# Allegro board LAY-27392_C.brd (continued)
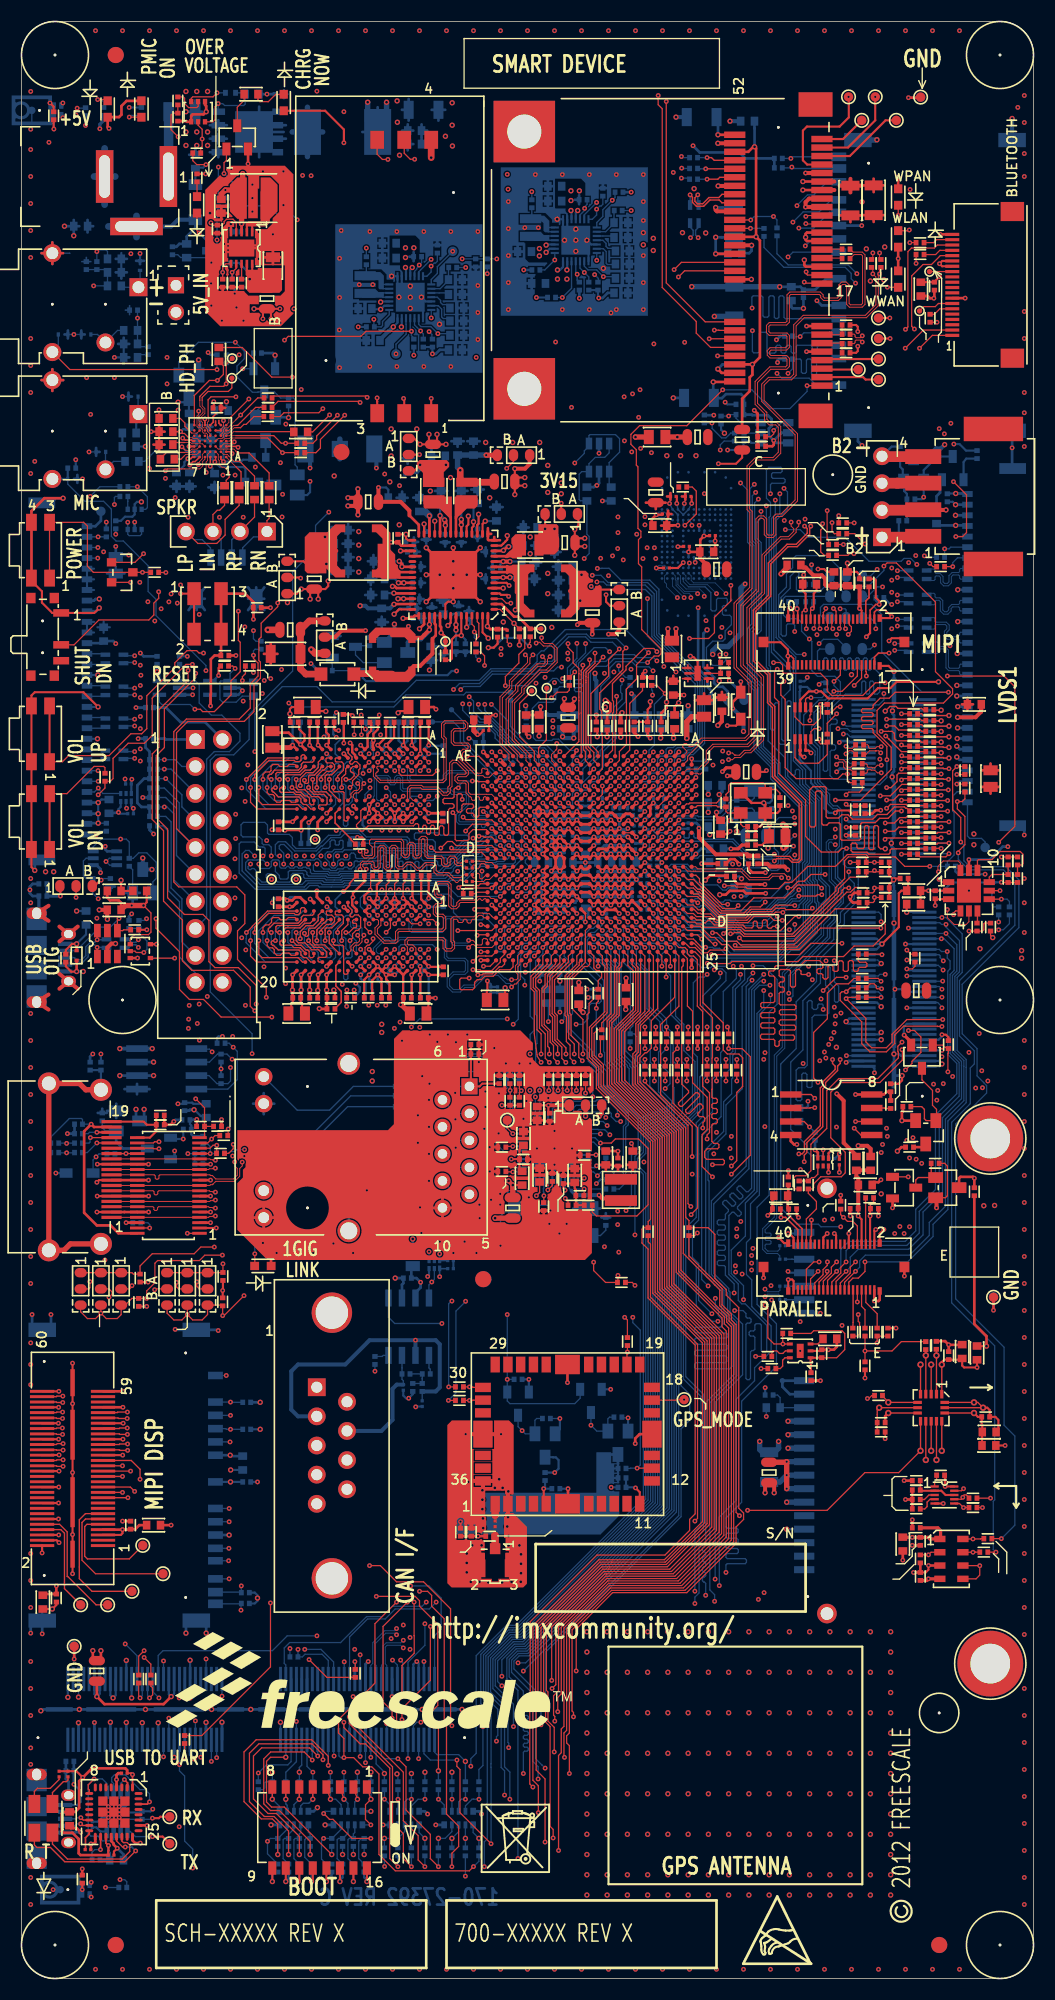
[diagram p0: board, top side]
## Footprints (pads in the part's own frame, mm; a bottom-side part is the same pattern mirrored in y, then rotated) (continued)
DFN_6_0P65_2P1X2
  rect 0.559x0.305 smd: 1(-0.975,0.65) 2(-0.975,0) 3(-0.975,-0.65) 4(0.975,-0.65) 5(0.975,0) 6(0.975,0.65)
  rect 0.66x1.346 smd: 7(0,0)
DFN_10_0P4_2X2
  rect 0.787x0.229 smd: 1(-0.925,0.8) 2(-0.925,0.4) 3(-0.925,0) 4(-0.925,-0.4) 5(-0.925,-0.8) 6(0.925,-0.8) 7(0.925,-0.4) 8(0.925,0) 9(0.925,0.4) 10(0.925,0.8)
DO214AB_SM
  rect 4.318x2.54 smd: A(0,3.302) C(0,-3.302)
DO_VMN2
  rect 0.457x0.559 smd: A(0.475,0) C(-0.475,0)
FUSE_3P4X1P8
  rect 1x1.8 smd: 1(-1.25,0) 2(1.25,0)
HDR102
  rect 1.524x1.524 hole 1.016: 1(0,0)
  round 1.524 hole 1.016: 2(0,-2.54)
HDR104
  rect 1.676x1.676 hole 1.041: 1(0,0)
  round 1.676 hole 1.041: 2(0,-2.54) 3(0,-5.08) 4(0,-7.62)
HDR_20M_100_TH
  rect 1.778x1.778 hole 1.143: 1(0,0)
  round 1.778 hole 1.143: 2(2.54,0) 3(0,-2.54) 4(2.54,-2.54) 5(0,-5.08) 6(2.54,-5.08) 7(0,-7.62) 8(2.54,-7.62) 9(0,-10.16) 10(2.54,-10.16) 11(0,-12.7) 12(2.54,-12.7) 13(0,-15.24) 14(2.54,-15.24) 15(0,-17.78) 16(2.54,-17.78) 17(0,-20.32) 18(2.54,-20.32) 19(0,-22.86) 20(2.54,-22.86)
IND4_CHOKE_0805
  rect 0.914x0.406 smd: 1(-0.85,-0.4) 2(0.85,-0.4) 3(0.85,0.4) 4(-0.85,0.4)
IND_5015
  custom 1.75x5 smd: 1(-2.125,0) 2(2.125,0)
IND_LPS4018
  custom 1.45x4.4 smd: 1(-1.831,0) 2(1.831,0)
IND_VLCF4018
  custom 1.6x3.9 smd: 1(-1.448,0) 2(1.448,0)
IND_VLS3012_SM
  rect 1.016x3.023 smd: 1(-1,0) 2(1,0)
IND_VLS252010
  rect 0.864x2.007 smd: 1(-0.825,0) 2(0.825,0)
LED_0603
  rect 0.838x0.787 smd: A(-0.775,0) C(0.775,0)
LED_DUAL_3025MM_SM
  rect 1.702x1.118 smd: 1(-1.35,-0.85) 2(1.35,-0.85) 3(-1.35,0.85) 4(1.35,0.85)
LGA5_CAV_4P1X3P1MM
  round 0.254 hole 0.559 unplated: (1,0)
  rect 0.406x0.61 smd: 1(-1.05,-0.45) 2(-0.35,-0.45) 4(-0.35,0.45) 5(-1.05,0.45)
  custom 3.8x2.8 smd: 3(1.725,0)
LGA8_1P25_3X5_0P5
  rect 1.067x0.61 smd: 1(-1.083,1.875) 2(-1.083,0.625) 3(-1.083,-0.625) 4(-1.083,-1.875) 5(1.083,-1.875) 6(1.083,-0.625) 7(1.083,0.625) 8(1.083,1.875)
MH244-147T
  round 6.198 hole 3.734: 1(0,0)
MODULE_AH-1613
  rect 0.889x1.499 smd: 1(-6.8,-6.55) 2(-5.6,-6.55) 3(-4.4,-6.55) 4(-3.2,-6.55) 5(-2,-6.55) 7(2,-6.55) 8(3.2,-6.55) 9(4.4,-6.55) 10(5.6,-6.55) 11(6.8,-6.55) 19(6.8,6.55) 20(5.6,6.55) 21(4.4,6.55) 22(3.2,6.55) 23(2,6.55) 25(-2,6.55) 26(-3.2,6.55) 27(-4.4,6.55) 28(-5.6,6.55) 29(-6.8,6.55)
  rect 2.337x1.829 smd: 6(0,-6.55) 24(0,6.55)
  rect 1.499x0.889 smd: 12(7.95,-4.4) 13(7.95,-3.2) 14(7.95,-2) 16(7.95,2) 17(7.95,3.2) 18(7.95,4.4) 30(-7.95,4.4) 31(-7.95,3.2) 32(-7.95,2) 34(-7.95,-2) 35(-7.95,-3.2) 36(-7.95,-4.4)
  rect 1.829x2.54 smd: 15(7.95,0) 33(-7.95,0)
PJ-202B
  rect 1.651x5.74 hole 1.016x4.521: 1(0,0)
  rect 1.651x4.953 hole 1.016x4.013: 2(6,0)
  rect 4.953x1.651 hole 4.013x1.016: 3(3,4.7)
PSOP8
  rect 0.94x0.305 smd: 1(-1.5,0.75) 2(-1.5,0.25) 3(-1.5,-0.25) 4(-1.5,-0.75) 5(1.5,-0.75) 6(1.5,-0.25) 7(1.5,0.25) 8(1.5,0.75)
QFN5X3_0P5_3X3
  rect 0.813x0.305 smd: 1(-1.275,1) 2(-1.275,0.5) 3(-1.275,0) 4(-1.275,-0.5) 5(-1.275,-1) 9(1.275,-1) 10(1.275,-0.5) 11(1.275,0) 12(1.275,0.5) 13(1.275,1)
  rect 0.305x0.813 smd: 6(-0.5,-1.275) 7(0,-1.275) 8(0.5,-1.275) 14(0.5,1.275) 15(0,1.275) 16(-0.5,1.275)
QFN12
  rect 1.067x0.559 smd: 1(-1.908,0.8) 2(-1.908,0) 3(-1.908,-0.8) 7(1.908,-0.8) 8(1.908,0) 9(1.908,0.8)
  rect 0.559x1.067 smd: 4(-0.8,-1.908) 5(0,-1.908) 6(0.8,-1.908) 10(0.8,1.908) 11(0,1.908) 12(-0.8,1.908)
  rect 2.261x2.261 smd: 13(0,0)
QFN32_MC1320X
  oval 0.762x0.279 smd: 1(-2.32,1.751) 2(-2.32,1.251) 3(-2.32,0.751) 4(-2.32,0.25) 5(-2.32,-0.25) 6(-2.32,-0.751) 7(-2.32,-1.251) 8(-2.32,-1.751) 17(2.32,-1.751) 18(2.32,-1.251) 19(2.32,-0.751) 20(2.32,-0.25) 21(2.32,0.25) 22(2.32,0.751) 23(2.32,1.251) 24(2.32,1.751)
  oval 0.279x0.762 smd: 9(-1.751,-2.32) 10(-1.251,-2.32) 11(-0.751,-2.32) 12(-0.25,-2.32) 13(0.25,-2.32) 14(0.751,-2.32) 15(1.251,-2.32) 16(1.751,-2.32) 25(1.751,2.32) 26(1.251,2.32) 27(0.751,2.32) 28(0.25,2.32) 29(-0.25,2.32) 30(-0.751,2.32) 31(-1.251,2.32) 32(-1.751,2.32)
  custom 2.951x2.951 smd: 33(0,0)
QFN48_0P4_6X6MM_EPAD
  oval 0.965x0.203 smd: 1(-3.038,2.2) 2(-3.038,1.8) 3(-3.038,1.4) 4(-3.038,1) 5(-3.038,0.6) 6(-3.038,0.2) 7(-3.038,-0.2) 8(-3.038,-0.6) 9(-3.038,-1) 10(-3.038,-1.4) 11(-3.038,-1.8) 12(-3.038,-2.2) 25(3.038,-2.2) 26(3.038,-1.8) 27(3.038,-1.4) 28(3.038,-1) 29(3.038,-0.6) 30(3.038,-0.2) 31(3.038,0.2) 32(3.038,0.6) 33(3.038,1) 34(3.038,1.4) 35(3.038,1.8) 36(3.038,2.2)
  oval 0.203x0.965 smd: 13(-2.2,-3.038) 14(-1.8,-3.038) 15(-1.4,-3.038) 16(-1,-3.038) 17(-0.6,-3.038) 18(-0.2,-3.038) 19(0.2,-3.038) 20(0.6,-3.038) 21(1,-3.038) 22(1.4,-3.038) 23(1.8,-3.038) 24(2.2,-3.038) 37(2.2,3.038) 38(1.8,3.038) 39(1.4,3.038) 40(1,3.038) 41(0.6,3.038) 42(0.2,3.038) 43(-0.2,3.038) 44(-0.6,3.038) 45(-1,3.038) 46(-1.4,3.038) 47(-1.8,3.038) 48(-2.2,3.038)
  rect 3.81x3.81 smd: 49(0,0)
QFN56_0P5_8X8_EP4P5
  oval 0.737x0.279 smd: 1(-3.852,3.25) 2(-3.852,2.75) 3(-3.852,2.25) 4(-3.852,1.75) 5(-3.852,1.25) 6(-3.852,0.75) 7(-3.852,0.25) 8(-3.852,-0.25) 9(-3.852,-0.75) 10(-3.852,-1.25) 11(-3.852,-1.75) 12(-3.852,-2.25) 13(-3.852,-2.75) 14(-3.852,-3.25) 29(3.852,-3.25) 30(3.852,-2.75) 31(3.852,-2.25) 32(3.852,-1.75) 33(3.852,-1.25) 34(3.852,-0.75) 35(3.852,-0.25) 36(3.852,0.25) 37(3.852,0.75) 38(3.852,1.25) 39(3.852,1.75) 40(3.852,2.25) 41(3.852,2.75) 42(3.852,3.25)
  oval 0.279x0.737 smd: 15(-3.25,-3.852) 16(-2.75,-3.852) 17(-2.25,-3.852) 18(-1.75,-3.852) 19(-1.25,-3.852) 20(-0.75,-3.852) 21(-0.25,-3.852) 22(0.25,-3.852) 23(0.75,-3.852) 24(1.25,-3.852) 25(1.75,-3.852) 26(2.25,-3.852) 27(2.75,-3.852) 28(3.25,-3.852) 43(3.25,3.852) 44(2.75,3.852) 45(2.25,3.852) 46(1.75,3.852) 47(1.25,3.852) 48(0.75,3.852) 49(0.25,3.852) 50(-0.25,3.852) 51(-0.75,3.852) 52(-1.25,3.852) 53(-1.75,3.852) 54(-2.25,3.852) 55(-2.75,3.852) 56(-3.25,3.852)
  rect 4.496x4.496 smd: 57(0,0)
R603-X2
  oval 0.889x1.143 smd: 1(-0.762,0) 2(0.762,0) 3(2.286,0)
RC0805_OV
  oval 0.889x1.524 smd: 1(-0.965,0) 2(0.965,0)
RCA_8_10
  rect 0.66x0.533 smd: 1(-0.64,1.361) 5(-0.64,-1.361) 6(0.64,-1.361) 10(0.64,1.361)
  rect 0.66x0.356 smd: 2(-0.64,0.64) 3(-0.64,0) 4(-0.64,-0.64) 7(0.64,-0.64) 8(0.64,0) 9(0.64,0.64)
SC70-5_A
  rect 1.27x0.406 smd: 1(-0.95,0.65) 2(-0.95,0) 3(-0.95,-0.65) 4(0.95,-0.65) 5(0.95,0.65)
SC70-6
  rect 0.381x1.016 smd: 1(-0.65,-1.105) 2(0,-1.105) 3(0.65,-1.105) 4(0.65,1.105) 5(0,1.105) 6(-0.65,1.105)
SC70_3
  rect 0.711x0.889 smd: 1(-0.648,-0.952) 2(0.648,-0.952) 3(0,0.952)
SC70_6LEAD
  rect 0.508x0.406 smd: 1(-0.95,0.65) 2(-0.95,0) 3(-0.95,-0.65) 4(0.95,-0.65) 5(0.95,0) 6(0.95,0.65)
SH0201_CC
  rect 0.305x0.305 smd: 1(-0.267,0) 2(0.267,0)
SH0402_CC
  rect 0.457x0.508 smd: 1(-0.375,0) 2(0.375,0)
SH0603-X2_PIN1TO2
  oval 0.889x1.143 smd: 1(-0.762,0) 2(0.762,0) 3(2.286,0)
SH0603_CC
  rect 0.711x0.838 smd: 1(-0.65,0) 2(0.65,0)
SH0805_40
  oval 0.889x1.524 smd: 1(-0.965,0) 2(0.965,0)
SKT_BATT_4X8
  rect 1.524x2.54 smd: 1(-3.24,0) 2(3.24,0)
  rect 1.524x1.524 smd: 3(0,0)
SO8
  rect 2.032x0.635 smd: 1(-2.794,1.905) 2(-2.794,0.635) 3(-2.794,-0.635) 4(-2.794,-1.905) 5(2.794,-1.905) 6(2.794,-0.635) 7(2.794,0.635) 8(2.794,1.905)
SO8_1P27_4X5
  rect 1.6x0.61 smd: 1(-2.7,1.905) 2(-2.7,0.635) 3(-2.7,-0.635) 4(-2.7,-1.905) 5(2.7,-1.905) 6(2.7,-0.635) 7(2.7,0.635) 8(2.7,1.905)
SO8_PAK
  rect 1.27x0.61 smd: 1(-2.67,1.905) 2(-2.67,0.635) 3(-2.67,-0.635) 4(-2.67,-1.905)
  custom 4.52x4.42 smd: 5(1.17,0)
SO8WST
  rect 2.032x0.61 smd: 1(-3.81,1.905) 2(-3.81,0.635) 3(-3.81,-0.635) 4(-3.81,-1.905) 5(3.81,-1.905) 6(3.81,-0.635) 7(3.81,0.635) 8(3.81,1.905)
SOD123
  rect 1.016x1.27 smd: A(1.651,0) C(-1.651,0)
SOD123LF
  rect 1.219x1.27 smd: A(1.549,0) C(-1.549,0)
SOD323
  rect 0.889x1.219 smd: A(0,1.27) C(0,-1.27)
SOD-923
  rect 0.305x0.406 smd: A(-0.45,0) C(0.45,0)
SOD-923_NP
  rect 0.305x0.406 smd: 1(-0.45,0) 2(0.45,0)
SOT23
  rect 0.762x1.219 smd: 1(-1.016,-1.092) 2(1.016,-1.092) 3(0,1.092)
SOT23-6
  rect 0.61x1.118 smd: 1(-0.95,-1.321) 2(0,-1.321) 3(0.95,-1.321) 4(0.95,1.321) 5(0,1.321) 6(-0.95,1.321)
SOT23_A
  rect 0.787x0.889 smd: 1(-0.94,-1.003) 2(0.94,-1.003) 3(0,1.003)
SOT23_S6
  rect 1.27x0.635 smd: 1(-1.219,0.94) 2(-1.219,0) 3(-1.219,-0.94) 4(1.219,-0.94) 5(1.219,0) 6(1.219,0.94)
SOT353
  rect 0.406x0.508 smd: 1(-0.65,-0.95) 2(0,-0.95) 3(0.65,-0.95) 4(0.65,0.95) 5(-0.65,0.95)
SOT363
  rect 0.406x0.508 smd: 1(-0.65,-0.95) 2(0,-0.95) 3(0.65,-0.95) 4(0.65,0.95) 5(0,0.95) 6(-0.65,0.95)
SOT-23
  rect 1.016x1.397 smd: 1(-0.95,-1.1) 2(0.95,-1.1) 3(0,1.1)
SSOP8
  rect 1.27x0.432 smd: 1(-1.85,0.975) 2(-1.85,0.325) 3(-1.85,-0.325) 4(-1.85,-0.975) 5(1.85,-0.975) 6(1.85,-0.325) 7(1.85,0.325) 8(1.85,0.975)
SSOT6_1P7X3
  rect 0.991x0.686 smd: 1(-1.3,0.95) 2(-1.3,0) 3(-1.3,-0.95) 4(1.3,-0.95) 5(1.3,0) 6(1.3,0.95)
SW4_4MM
  rect 1.27x2.159 smd: 1(-1.27,1.905) 2(-1.27,-1.905) 3(1.27,1.905) 4(1.27,-1.905)
SW_DIP16_8POS_SM
  rect 0.762x1.27 smd: 1(-4.45,-3.81) 2(-3.18,-3.81) 3(-1.91,-3.81) 4(-0.64,-3.81) 5(0.64,-3.81) 6(1.91,-3.81) 7(3.18,-3.81) 8(4.45,-3.81) 9(4.45,3.81) 10(3.18,3.81) 11(1.91,3.81) 12(0.64,3.81) 13(-0.64,3.81) 14(-1.91,3.81) 15(-3.18,3.81) 16(-4.45,3.81)
SW_SPDT_RA
  rect 0.991x0.889 smd: (-3.65,1.1) (-3.65,-1.1) (3.65,1.1) (3.65,-1.1)
  round 0.254 hole 0.889 unplated: (-1.5,0) (1.5,0)
  rect 0.711x1.499 smd: 1(-2.25,1.75) 2(0.75,1.75) 3(2.25,1.75)
SW_SPST_PB_4P8X3P5_SM
  rect 1.6x1.016 smd: 1(2.625,0.85) 2(2.625,-0.85) 3(-2.625,0.85) 4(-2.625,-0.85)
TDFN10_0P5_3P1X3P1
  rect 0.762x0.254 smd: 1(-1.48,1) 2(-1.48,0.5) 3(-1.48,0) 4(-1.48,-0.5) 5(-1.48,-1) 6(1.48,-1) 7(1.48,-0.5) 8(1.48,0) 9(1.48,0.5) 10(1.48,1)
  rect 1.6x2.413 smd: 11(0,0)
TPAD_015
  round 0.381 smd: 1(0,0)
TPAD_020
  round 0.508 smd: 1(0,0)
TQFN28_0P4_4X4
  rect 0.762x0.203 smd: 1(-1.975,1.2) 2(-1.975,0.8) 3(-1.975,0.4) 4(-1.975,0) 5(-1.975,-0.4) 6(-1.975,-0.8) 7(-1.975,-1.2) 15(1.975,-1.2) 16(1.975,-0.8) 17(1.975,-0.4) 18(1.975,0) 19(1.975,0.4) 20(1.975,0.8) 21(1.975,1.2)
  rect 0.203x0.762 smd: 8(-1.2,-1.975) 9(-0.8,-1.975) 10(-0.4,-1.975) 11(0,-1.975) 12(0.4,-1.975) 13(0.8,-1.975) 14(1.2,-1.975) 22(1.2,1.975) 23(0.8,1.975) 24(0.4,1.975) 25(0,1.975) 26(-0.4,1.975) 27(-0.8,1.975) 28(-1.2,1.975)
  rect 2.718x2.718 smd: 29(0,0)
TSSOP38_0P5_4P5X9P8
  rect 1.372x0.279 smd: 1(-2.925,4.5) 2(-2.925,4) 3(-2.925,3.5) 4(-2.925,3) 5(-2.925,2.5) 6(-2.925,2) 7(-2.925,1.5) 8(-2.925,1) 9(-2.925,0.5) 10(-2.925,0) 11(-2.925,-0.5) 12(-2.925,-1) 13(-2.925,-1.5) 14(-2.925,-2) 15(-2.925,-2.5) 16(-2.925,-3) 17(-2.925,-3.5) 18(-2.925,-4) 19(-2.925,-4.5) 20(2.925,-4.5) 21(2.925,-4) 22(2.925,-3.5) 23(2.925,-3) 24(2.925,-2.5) 25(2.925,-2) 26(2.925,-1.5) 27(2.925,-1) 28(2.925,-0.5) 29(2.925,0) 30(2.925,0.5) 31(2.925,1) 32(2.925,1.5) 33(2.925,2) 34(2.925,2.5) 35(2.925,3) 36(2.925,3.5) 37(2.925,4) 38(2.925,4.5)
ULLGA6_1P45X1_0P5MM
  rect 0.533x0.305 smd: 1(-0.355,0.5)
  rect 0.483x0.305 smd: 2(-0.375,0) 3(-0.375,-0.5) 4(0.375,-0.5) 5(0.375,0) 6(0.375,0.5)
unnamed#2
  round 1.524 smd: (0,0)
unnamed#3
  round 0.254 hole 3.048 unplated: (0,0)
unnamed#4
  round 0.254 hole 3.175 unplated: (0,0)
XTAL2-3P2X1P5-SM
  rect 1.092x1.905 smd: 1(-1.25,0) 2(1.25,0)
XTAL4_SX_3225
  rect 1.295x1.092 smd: 1(-1.15,-0.95) 2(1.15,-0.95) 3(1.15,0.95) 4(-1.15,0.95)
XTAL_4_7P2X5P2
  rect 2.21x1.397 smd: 1(-3.15,-1.27) 2(-3.15,1.27) 3(3.15,1.27)
  rect 2.388x1.397 smd: 4(3.061,-1.27)

## Nets
2V5_RGMII: C96.1 R147.1 R148.1 U516.10(VDDH_REG)
5V_DC_JACK: F500.1 P1.1(PIN)
5V_IN: C507.1 C508.1 C510.1 C511.1 F500.2 J501.1 J504.2 J504.4 J504.8 Q1.1(EMITTER) Q1.4(EMITTER) Q6.1(S1) Q6.2(S2) Q6.3(S3) R2.1 R303.1 R505.1 R515.1 R516.1 U502.3(DC1) U502.4(DC2) U503.3(DC1) U503.4(DC2)
12V_1: J506.P13(12V_1)
12V_2: J506.P14(12V_2)
12V_3: J506.P15(12V_3)
AVDD: C15.1 L506.2 U7.D6(AVDD)
DVDDL_RGMII: C91.1 C93.1 L16.1 L19.2 R654.1 U516.47(DVDDL)
GND: BH1.1(NC_1) BH2.1(NC_1) BT500.3(NEG) C1.2 C2.2 C3.2 C8.2 C9.2 C10.2 C13.2 C16.2 C19.2 C20.2 C21.2 C22.2 C23.2 C25.2 C26.2 C27.2 C28.2 C29.2 C30.2 C31.2 C32.2 C33.2 C34.2 C35.2 C36.2 C37.2 C38.2 C39.2 C40.2 C41.2 C42.2 C43.2 C44.2 C45.2 C46.2 C47.2 C48.2 C49.2 C50.2 C51.2 C52.2 C53.2 C54.2 C55.2 C56.2 C57.2 C58.2 C59.2 C60.2 C61.2 C62.2 C63.2 C64.2 C65.2 C67.2 C68.2 C69.2 C70.2 C71.2 C72.2 C73.2 C74.2 C75.2 C76.2 C77.2 C78.2 C79.2 C80.2 C81.2 C82.2 C83.2 C84.2 C85.2 C86.2 C87.2 C88.2 C89.2 C90.2 C91.2 C92.2 C93.2 C94.2 C95.2 C96.2 C97.2 C98.2 C99.2 C100.2 C101.2 C102.2 C103.2 C104.2 C105.2 C106.2 C107.2 C108.2 C109.2 C110.2 C111.2 C112.2 C113.2 C114.2 C116.2 C117.2 C118.2 C119.2 C120.2 C121.2 C122.2 C123.2 C124.2 C125.2 C126.2 C127.2 C128.2 C129.2 C130.2 C501.2 C502.2 C503.2 C505.2 C506.2 C507.2 C508.2 C510.2 C511.2 C514.2 C515.2 C516.2 C517.2 C518.2 C520.2 C521.2 C522.2 C523.2 C524.2 C525.2 C526.2 C527.2 C528.2 C529.2 C530.2 C535.2 C537.2 C539.2 C544.2 C545.2 C546.2 C550.2 C551.2 C552.2 C553.2 C554.2 C555.2 C556.2 C557.2 C558.2 C559.2 C560.2 C561.2 C562.2 C563.2 C564.2 C565.2 C566.2 C567.2 C568.2 C569.2 C570.2 C571.2 C572.2 C573.2 C574.2 C575.2 C576.2 C577.2 C578.2 C579.2 C580.2 C581.2 C582.2 C583.2 C584.2 C585.2 C586.2 C587.2 C588.2 C589.2 C590.2 C591.2 C592.2 C593.2 C594.2 C595.2 C596.2 C597.2 C598.2 C599.2 C600.2 C601.2 C602.2 C603.2 C604.2 C605.2 C606.2 C607.2 C608.2 C609.2 C610.2 C611.2 C612.2 C613.2 C614.2 C615.2 C616.2 C617.2 C618.2 C619.2 C620.2 C621.2 C622.2 C623.2 C624.2 C625.2 C626.2 C627.2 C628.2 C629.2 C630.2 C631.2 C632.2 C633.2 C634.2 C635.2 C636.2 C637.2 C638.2 C639.2 C640.2 C641.2 C642.2 C643.2 C644.2 C645.2 C646.2 C647.2 C648.2 C649.2 C650.2 C651.2 C652.2 C653.2 C654.2 C655.2 C656.2 C657.2 C658.2 C659.2 C660.2 C661.2 C662.2 C663.2 C664.2 C665.2 C666.2 C667.2 C668.2 C669.2 C670.2 C671.2 C672.2 C673.2 C674.2 C675.2 C676.2 C677.2 C678.2 C679.2 C680.2 C681.2 C682.2 C683.2 C684.2 C685.2 C686.2 C687.2 C688.2 C689.2 C690.2 C691.2 C692.2 C693.2 C694.2 C695.2 C696.2 C697.2 C698.2 C701.2 C702.2 C703.2 C704.2 C705.2 C706.2 C707.2 C708.2 C709.2 C710.2 C711.2 C712.2 C713.2 C714.2 C715.2 C716.2 C717.2 C718.2 C719.2 C720.2 C721.2 C722.2 C723.2 C724.2 C725.2 C727.2 C728.2 C729.2 C730.2 C731.2 C732.2 C733.2 C734.2 C735.2 C736.2 C737.2 C738.1 C739.2 C740.2 C741.2 C742.2 C743.2 C744.2 C745.2 C746.2 C747.1 C748.2 C749.2 C750.2 C753.2 C754.2 C755.2 C758.2 C759.2 C760.2 C761.2 C762.2 C763.2 C764.2 C765.2 C766.2 C767.2 C768.2 C769.2 CON1.4(GND) CON2.2 CON2.3 CON3.2 CON3.3 D1.C(CATHODE) D2.C(CATHODE) D11.C(CATHODE) D501.A D503.A(ANODE) J1.4(GND7) J1.9(GND1) J1.15(GND2) J1.18(GND8) J1.21(GND3) J1.26(GND9) J1.27(GND4) J1.29(GND5) J1.34(GND10) J1.35(GND6) J1.37(RESERVED3) J1.40(GND11) J1.43(RESERVED6) J1.50(GND12) J5.1(P1) J5.2(P2) J5.14(P14) J5.20(P20) J5.26(P26) J5.32(P32) J5.39(P39) J5.40(P40) J5.41(P41) J5.42(P42) J5.43(P43) J5.44(P44) J5.45(P45) J5.46(P46) J6.4 J6.6 J6.8 J6.10 J6.12 J6.14 J6.16 J6.18 J6.20 J7.10(GND) J7.12(LEDGC) J7.14(LEDYC) J8.2(D2_SHIELD) J8.5(D1_SHIELD) J8.8(D0_SHIELD) J8.11(CK_SHIELD) J9.1(P1) J9.2(P2) J9.14(P14) J9.20(P20) J9.26(P26) J9.32(P32) J9.39(P39) J9.40(P40) J9.41(P41) J9.42(P42) J9.43(P43) J9.44(P44) J9.45(P45) J9.46(P46) J10.5 J10.6 J10.M1 J10.M2 J11.6 J11.12 J11.18 J11.24 J11.30 J11.35 J11.36 J11.41 J11.42 J11.47 J11.48 J11.53 J11.54 J11.59 J11.60 J11.SH1 J11.SH2 J11.SH3 J11.SH4 J12.2(SHIELD1) J12.3(SHIELD2) J13.8 J13.20 J500.3(VSS1) J500.6(VSS2) J500.16(GND1) J500.17(GND2) J500.18(GND3) J500.19(GND4) J501.2 J502.10 J502.13 J502.16 J502.19 J502.22 J502.23 J502.S1 J502.S2 J503.10 J503.13 J503.16 J503.19 J503.22 J503.23 J503.S1 J503.S2 J504.6 J504.12 J504.18 J504.24 J504.30 J504.36 J504.42 J504.48 J504.54 J504.60 J504.93 J504.103 J504.SH1 J504.SH2 J504.SH3 J504.SH4 J504.SH5 J504.SH6 J504.SH7 J504.SH8 J506.P4(GND4) J506.P5(GND5) J506.P6(GND6) J506.P10(GND7) J506.P12(GND8) J506.S1(GND1) J506.S4(GND2) J506.S7(GND3) J507.3(VSS1) J507.6(VSS2) J507.16(GND1) J507.17(GND2) J507.18(GND3) J507.19(GND4) J508.6 J508.12 J508.18 J508.23 J508.24 J508.30 J508.36 J508.42 J508.48 J508.54 J508.60 J508.93 J508.103 J508.SH1 J508.SH2 J508.SH3 J508.SH4 J508.SH5 J508.SH6 J508.SH7 J508.SH8 J509.5(P5) L501.1 L519.1 P1.2 P1.3 Q2.2(SOURCE) Q4.2(SOURCE) Q501.2(EMITTER) Q503.2(SOURCE) Q504.2(SOURCE) Q507.2(SOURCE) Q510.2(SOURCE) Q512.1(SOURCE2) Q512.4(SOURCE1) Q515.2(SOURCE) Q516.2(SOURCE) Q517.2(SOURCE) R4.2 R5.2 R6.2 R7.2 R8.2 R15.2 R34.2 R37.2 R38.2 R78.2 R89.2 R92.2 R93.2 R95.2 R98.2 R99.2 R103.1 R105.2 R107.2 R108.2 R119.2 R130.2 R140.2 R141.2 R142.2 R143.2 R144.2 R145.2 R146.2 R151.2 R166.2 R185.2 R195.2 R199.2 R216.2 R500.2 R513.2 R514.2 R524.2 R527.2 R528.2 R530.2 R531.2 R549.2 R559.2 R571.2 R576.2 R591.2 R593.2 R599.2 R602.1 R604.2 R605.2 R608.2 R609.2 R613.2 R619.2 R620.2 R624.2 R628.2 R630.1 R631.2 R635.2 R646.2 R656.2 R658.2 R664.2 R667.2 R677.2 R724.2 R725.2 R729.2 RN500.5 RN500.10 RN501.5 RN501.10 RN502.5 RN502.10 RN503.5 RN503.10 RT500.2 RT501.2 SH504.1 SW1.2 SW1.4 SW2.1 SW2.2 SW3.1(NO) SW4.2 SW4.4 SW5.2 SW5.4 TP1.1(PIN1) TP15.1(PIN1) TP16.1(PIN1) TP17.1(PIN1) TP19.1(PIN1) TP26.1(PIN1) TP500.1(PIN1) TP506.1(PIN1) TP508.1(PIN1) U1.A4(GND_3) U1.A5(FA_ANA) U1.A8(GND_4) U1.A13(GND_1) U1.A25(GND_2) U1.AA7(GND_10) U1.AA10(GND_5) U1.AA13(GND_6) U1.AA16(GND_7) U1.AA19(GND_8) U1.AA22(GND_9) U1.AB3(GND_12) U1.AB24(GND_11) U1.AD4(GND_18) U1.AD7(GND_19) U1.AD10(GND_13) U1.AD13(GND_14) U1.AD16(GND_15) U1.AD19(GND_16) U1.AD22(GND_17) U1.AE1(GND_20) U1.AE25(GND_21) U1.B4(GND_22) U1.B5(VDD_FA) U1.C1(GND_23) U1.C4(GND_25) U1.C6(GND_26) U1.C10(GND_24) U1.D3(GND_27) U1.D6(GND_28) U1.D8(GND_29) U1.E5(GND_30) U1.E6(GND_31) U1.E7(GND_32) U1.F5(GND_33) U1.F6(GND_34) U1.F7(GND_35) U1.F8(GND_36) U1.G3(GND_39) U1.G10(GND_37) U1.G19(GND_38) U1.H8(GND_43) U1.H12(GND_40) U1.H15(GND_41) U1.H18(GND_42) U1.J2(GND_47) U1.J8(GND_48) U1.J12(GND_44) U1.J15(GND_45) U1.J18(GND_46) U1.K8(GND_53) U1.K10(GND_49) U1.K12(GND_50) U1.K15(GND_51) U1.K18(GND_52) U1.L2(GND_58) U1.L5(GND_59) U1.L8(GND_60) U1.L10(GND_54) U1.L12(GND_55) U1.L15(GND_56) U1.L18(GND_57) U1.M8(GND_65) U1.M10(GND_61) U1.M12(GND_62) U1.M15(GND_63) U1.M18(GND_64) U1.N8(GND_69) U1.N10(GND_66) U1.N15(GND_67) U1.N18(GND_68) U1.P8(GND_74) U1.P10(GND_70) U1.P12(GND_71) U1.P15(GND_72) U1.P18(GND_73) U1.R8(GND_78) U1.R12(GND_75) U1.R15(GND_76) U1.R17(GND_77) U1.T8(GND_84) U1.T11(GND_79) U1.T12(GND_80) U1.T15(GND_81) U1.T17(GND_82) U1.T19(GND_83) U1.U8(GND_89) U1.U11(GND_85) U1.U12(GND_86) U1.U15(GND_87) U1.U17(GND_88) U1.U19(GND_90) U1.V8(GND_91) U1.V19(GND_92) U1.W3(GND_93) U1.W7(GND_94) U1.W8(GND_95) U1.W9(GND_96) U1.W10(GND_97) U1.W11(GND_98) U1.W12(GND_99) U1.W13(GND_100) U1.W15(GND_101) U1.W16(GND_102) U1.W17(GND_103) U1.W18(GND_104) U1.W19(GND_105) U1.Y5(GND_106) U1.Y24(GND_107) U2.A9(VSS1) U2.B1(VSSQ1) U2.B3(VSS2) U2.B9(VSSQ2) U2.D1(VSSQ3) U2.D8(VSSQ4) U2.E1(VSS3) U2.E2(VSSQ5) U2.E8(VSSQ6) U2.F9(VSSQ7) U2.G1(VSSQ8) U2.G8(VSS4) U2.G9(VSSQ9) U2.J2(VSS5) U2.J8(VSS6) U2.M1(VSS7) U2.M9(VSS8) U2.P1(VSS9) U2.P9(VSS10) U2.T1(VSS11) U2.T9(VSS12) U3.A9(VSS1) U3.B1(VSSQ1) U3.B3(VSS2) U3.B9(VSSQ2) U3.D1(VSSQ3) U3.D8(VSSQ4) U3.E1(VSS3) U3.E2(VSSQ5) U3.E8(VSSQ6) U3.F9(VSSQ7) U3.G1(VSSQ8) U3.G8(VSS4) U3.G9(VSSQ9) U3.J2(VSS5) U3.J8(VSS6) U3.M1(VSS7) U3.M9(VSS8) U3.P1(VSS9) U3.P9(VSS10) U3.T1(VSS11) U3.T9(VSS12) U4.A9(VSS1) U4.B1(VSSQ1) U4.B3(VSS2) U4.B9(VSSQ2) U4.D1(VSSQ3) U4.D8(VSSQ4) U4.E1(VSS3) U4.E2(VSSQ5) U4.E8(VSSQ6) U4.F9(VSSQ7) U4.G1(VSSQ8) U4.G8(VSS4) U4.G9(VSSQ9) U4.J2(VSS5) U4.J8(VSS6) U4.M1(VSS7) U4.M9(VSS8) U4.P1(VSS9) U4.P9(VSS10) U4.T1(VSS11) U4.T9(VSS12) U5.A9(VSS1) U5.B1(VSSQ1) U5.B3(VSS2) U5.B9(VSSQ2) U5.D1(VSSQ3) U5.D8(VSSQ4) U5.E1(VSS3) U5.E2(VSSQ5) U5.E8(VSSQ6) U5.F9(VSSQ7) U5.G1(VSSQ8) U5.G8(VSS4) U5.G9(VSSQ9) U5.J2(VSS5) U5.J8(VSS6) U5.M1(VSS7) U5.M9(VSS8) U5.P1(VSS9) U5.P9(VSS10) U5.T1(VSS11) U5.T9(VSS12) U6.5(GND) U6.11(EP) U7.F2(CIFMODE) U7.F3(DGND) U7.G5(PLLGND) U8.5(ICTEST) U8.14(SW1VSSSNS) U8.15(GNDREF1) U8.32(SW3VSSSNS) U8.48(GNDREF) U8.57(EPGND) U9.2(GND#2) U9.7(GND#7) U10.2(GND) U11.3(GND) U11.13(EP) U12.2(GND) U13.3(GND) U14.4(VSS) U15.3(GND) U16.3(GND3) U16.5(TMDS_GND5) U16.8(TMDS_GND8) U16.11(TMDS_GND11) U16.14(TMDS_GND14) U16.25(TMDS_GND25) U16.28(TMDS_GND28) U16.31(TMDS_GND31) U16.34(TMDS_GND34) U16.36(GND36) U17.2(GND) U17.7(EP) U18.5(GND1) U18.8(NC8) U18.10(GND2) U18.12(GND3) U18.13(NC13) U18.15(NC15) U18.16(NC16) U19.2(GND1) U19.6(GND2) U19.15(GND3) U19.24(GND4) U19.33(GND5) U19.36(GND6) U20.5(GND1) U20.10(GND2) U21.3(GND) U22.4(GND1) U22.17(GND2) U22.20(GND4) U22.24(AGND) U22.26(TEST) U22.33(EP) U501.2(L/RSELECT) U501.3(GND) U502.1(PG1) U502.2(PG2) U502.12(GND) U502.15(USUS) U502.29(EP) U503.1(PG1) U503.2(PG2) U503.12(GND) U503.15(USUS) U503.29(EP) U507.2(A) U507.3(GND) U509.5(S1) U510.2(GND) U512.AA4(VSSQ1) U512.AA6(VSSQ2) U512.K4(VSSQ3) U512.M7(VSS1) U512.P5(VSS2) U512.R10(VSS3) U512.U8(VSS4) U512.Y2(VSSQ4) U512.Y5(VSSQ5) U513.2(A) U513.3(GND) U514.3(GND) U515.6(GND) U516.49(GND) U517.3(GND) U518.2(GND) U519.4(GND) U521.3(GND) Y1.2 Y1.4 Y500.2 Y500.4
GND_ANALOG: C15.2 C17.2 C540.2 C541.2 C542.2 C543.2 C547.2 C548.2 C549.2 J2.5 J4.5 L501.2 R525.2 R526.2 R529.2 R541.2 R545.2 R552.2 TVS500.1(A1) TVS501.1(A1) TVS502.1(A1) TVS503.1(A1) TVS504.1(A1) TVS505.1(A1) U7.B1(SPKGND1) U7.B4(HPOUTFB) U7.C1(SPKGND2) U7.C7(CPGND) U7.D7(AGND)
P1V2_SW1: C574.1 C581.1 C583.1 C591.1 L11.2 R27.1 SH13.3
P1V2_SW1C: C559.1 C567.1 L8.2 R21.1 SH10.3
P1V8_SW4: C546.1 C555.1 L3.2 SH6.3 SH7.2
P3V3_LICELL: BT500.1(POS1) BT500.2(POS2) C590.1 U8.42(LICELL)
P3V3_SW2: C544.1 C545.1 L2.2 SH4.3 SH5.1
VDD_ARM_CAP: C658.1 C659.1 C660.1 C663.1 C669.1 C670.1 C671.1 C672.1 C677.1 C679.1 U1.H11(VDDARM23_CAP_1) U1.H13(VDDARM_CAP_1) U1.J11(VDDARM23_CAP_2) U1.J13(VDDARM_CAP_2) U1.K11(VDDARM23_CAP_3) U1.K13(VDDARM_CAP_3) U1.L11(VDDARM23_CAP_4) U1.L13(VDDARM_CAP_4) U1.M11(VDDARM23_CAP_5) U1.M13(VDDARM_CAP_5) U1.N11(VDDARM23_CAP_6) U1.N13(VDDARM_CAP_6) U1.P11(VDDARM23_CAP_7) U1.P13(VDDARM_CAP_7) U1.R11(VDDARM23_CAP_8) U1.R13(VDDARM_CAP_8)
VDD_SNVS_CAP: C54.1 C634.1 U1.G9(VDD_SNVS_CAP)
VDDCORE: C643.1 C644.1 C645.1 C646.1 C649.1 C680.1 C685.1 C686.1 C687.1 C688.1 C689.1 C690.1 R27.2 SH13.1 U1.H14(VDDARM_IN_1) U1.J14(VDDARM_IN_2) U1.K9(VDDARM23_IN_1) U1.K14(VDDARM_IN_3) U1.L9(VDDARM23_IN_2) U1.L14(VDDARM_IN_4) U1.M9(VDDARM23_IN_3) U1.M14(VDDARM_IN_5) U1.N9(VDDARM23_IN_4) U1.N14(VDDARM_IN_6) U1.P9(VDDARM23_IN_5) U1.P14(VDDARM_IN_7) U1.R9(VDDARM23_IN_6) U1.R14(VDDARM_IN_8) U1.T9(VDDARM23_IN_7) U1.U9(VDDARM23_IN_8)
VDDCORE_FB: SH13.2 U8.6(SW1FB)
VDDHIGH_IN: C623.1 C652.1 D10.A SH17.2 U1.H9(VDDHIGH_IN_1) U1.J9(VDDHIGH_IN_2)
VDDHIGH_VPH: C648.1 C654.1 C655.1 SH503.1 U1.H10(VDDHIGH_CAP_1) U1.J10(VDDHIGH_CAP_2)
VDDPU: C68.1 C710.1 C711.1 C712.1 C713.1 C714.1 C716.1 U1.H17(VDDPU_CAP_1) U1.J17(VDDPU_CAP_2) U1.K17(VDDPU_CAP_3) U1.L17(VDDPU_CAP_4) U1.M17(VDDPU_CAP_5) U1.N17(VDDPU_CAP_6) U1.P17(VDDPU_CAP_7)
VDDSOC: C40.1 C604.1 C694.1 C698.1 C701.1 C702.1 C703.1 C704.1 C705.1 C706.1 C707.1 R21.2 R632.1 SH10.1 U1.H16(VDDSOC_IN_1) U1.J16(VDDSOC_IN_2) U1.K16(VDDSOC_IN_3) U1.L16(VDDSOC_IN_4) U1.M16(VDDSOC_IN_5) U1.N16(VDDSOC_IN_6) U1.P16(VDDSOC_IN_7) U1.R16(VDDSOC_IN_8) U1.T16(VDDSOC_IN_9) U1.U16(VDDSOC_IN_10)
VDDSOC_CAP: C611.1 C612.1 C656.1 C661.1 C667.1 C674.1 C676.1 C682.1 C691.1 C692.1 SH16.1 U1.N12(VDD_CACHE_CAP) U1.R10(VDDSOC_CAP_1) U1.T10(VDDSOC_CAP_2) U1.T13(VDDSOC_CAP_3) U1.T14(VDDSOC_CAP_4) U1.U10(VDDSOC_CAP_5) U1.U13(VDDSOC_CAP_6) U1.U14(VDDSOC_CAP_7)
VDDSOC_FB: SH10.2 U8.13(SW1CFB)
VDDSOC_VP: L13.1 R48.1 R49.1 R96.1 SH16.2
VDDUSB: C627.1 C633.1 U1.F9(VDDUSB_CAP)
A2D_TP_VDD: C63.1 C65.1 L14.2 R101.1 R102.1 U11.2(VDD)
ACC_1V8: C107.1 C109.1 L20.2 R196.1 U18.1(VDDIO)
ACC_3V3: C110.1 C111.1 L21.2 U18.14(VDD)
ACC_SCK: R187.2 U18.4(SCL)
ACC_SDA: R193.2 U18.6(SDA)
ACCL_A0: R195.1 R196.2 U18.7(SA0)
ACCL_BYP: C106.1 U18.2(BYP)
ACCL_INT_IN: U1.B21(SD1_CMD) U18.9(INT2) U18.11(INT1)
ADCDAT1: R16.2 U7.D2(ADCDAT)
ALS_3V3: C108.1 R184.1 R191.2 U17.1(VDD)
ALS_INT: R171.1 R184.2 U17.4(I\N\T\)
ALS_REXT: R185.1 U17.3(REXT)
ALS_SCK: R188.2 U17.5(SCL)
ALS_SDA: R190.2 U17.6(SDA)
AUD3_RXD: R16.1 U1.N3(CSI0_DAT7)
AUD3_TXC: R14.1 U1.N1(CSI0_DAT4)
AUD3_TXD: R18.1 U1.P2(CSI0_DAT5)
AUD3_TXFS: R13.1 U1.N4(CSI0_DAT6)
AUD_1V8: C1.1 C13.1 C128.1 C539.1 C543.1 C558.1 L506.1 Q505.3(DRAIN) U7.C6(CPVDD) U7.G2(DCVDD) U7.G3(DBVDD) U7.G4(PLLVDD) U501.4(VDD) U510.5(VCC) U521.2(L/RSELECT) U521.4(VDD)
AUD_3V3: C542.1 L510.2 R568.1 U7.A3(MICVDD)
AUD_FB: SH6.2 U8.19(SW4FB)
AUD_MCLK: R10.1 R158.1
AUD_PWR_ON: Q504.3(DRAIN) Q505.1(GATE) Q506.1(GATE) Q509.1(GATE) R557.2
AUDIO_CLK: R10.2 U7.G7(MCLK/XTI)
AUX_3V15: C60.1 C561.1 J504.5 J504.45 J504.47 J504.49 J508.5 L14.1 Q518.2(SOURCE) R17.1 R111.1 R566.1 R592.1 R668.1 SH6.1 SH7.1 U8.17(VIN1)
AUX_5V: C754.1 R582.1 R660.1 SH1.2 SH25.1 U517.1(VCCA)
AUX_5V_EN: R7.1 U1.B16(NANDF_RB0) U6.4(ON)
AUX_5V_FB: R5.1 R543.2 U6.6(FB)
AUX_5V_LX: L1.2 U6.1(LX1) U6.2(LX2)
AUX_5V_OUTS: C9.1 R540.2 U6.7(OUTS)
AUX_5V_POUT: C8.1 C523.1 R540.1 R543.1 SH1.1 U6.9(POUT1) U6.10(POUT2)
AUX_5V_SKIPB: R4.1 U6.8(SKIPB)
BAR_3V3: C119.1 C120.1 C122.1 R201.2 U21.1(VDD) U21.4(VDDIO)
BAR_CAP: C121.1 U21.2(CAP)
BAR_SCK: R202.2 U21.8(SCL)
BAR_SDA: R203.2 U21.7(SDA)
BARO_INT: R167.1 U21.5(INT2) U21.6(INT1)
BAT_CEN_B: R728.2 R729.1 U502.14(C\E\N\) U503.14(C\E\N\)
BATT_TEMP1: R518.2 RT500.1 U502.16(THM)
BATT_TEMP2: R519.2 RT501.1 U503.16(THM)
BATT_VSENSE: Q508.2(SOURCE) R565.2 R575.1 R576.1 R577.2
BATT_VSENSE_IN: Q508.3(DRAIN) U11.11(AUX)